# Altium PCB Uno trung tam nha kinh.PcbDoc
Units mm, origin at the board's own origin, x right, y up, seen from the top; angles counter-clockwise.
Board outline 114.81 x 106.43 mm, 2 copper layers (Top Layer, Bottom Layer); 12 components, 14 nets, 71 pads, 4 vias.
Unrouted connection lines stored in the file: 1.
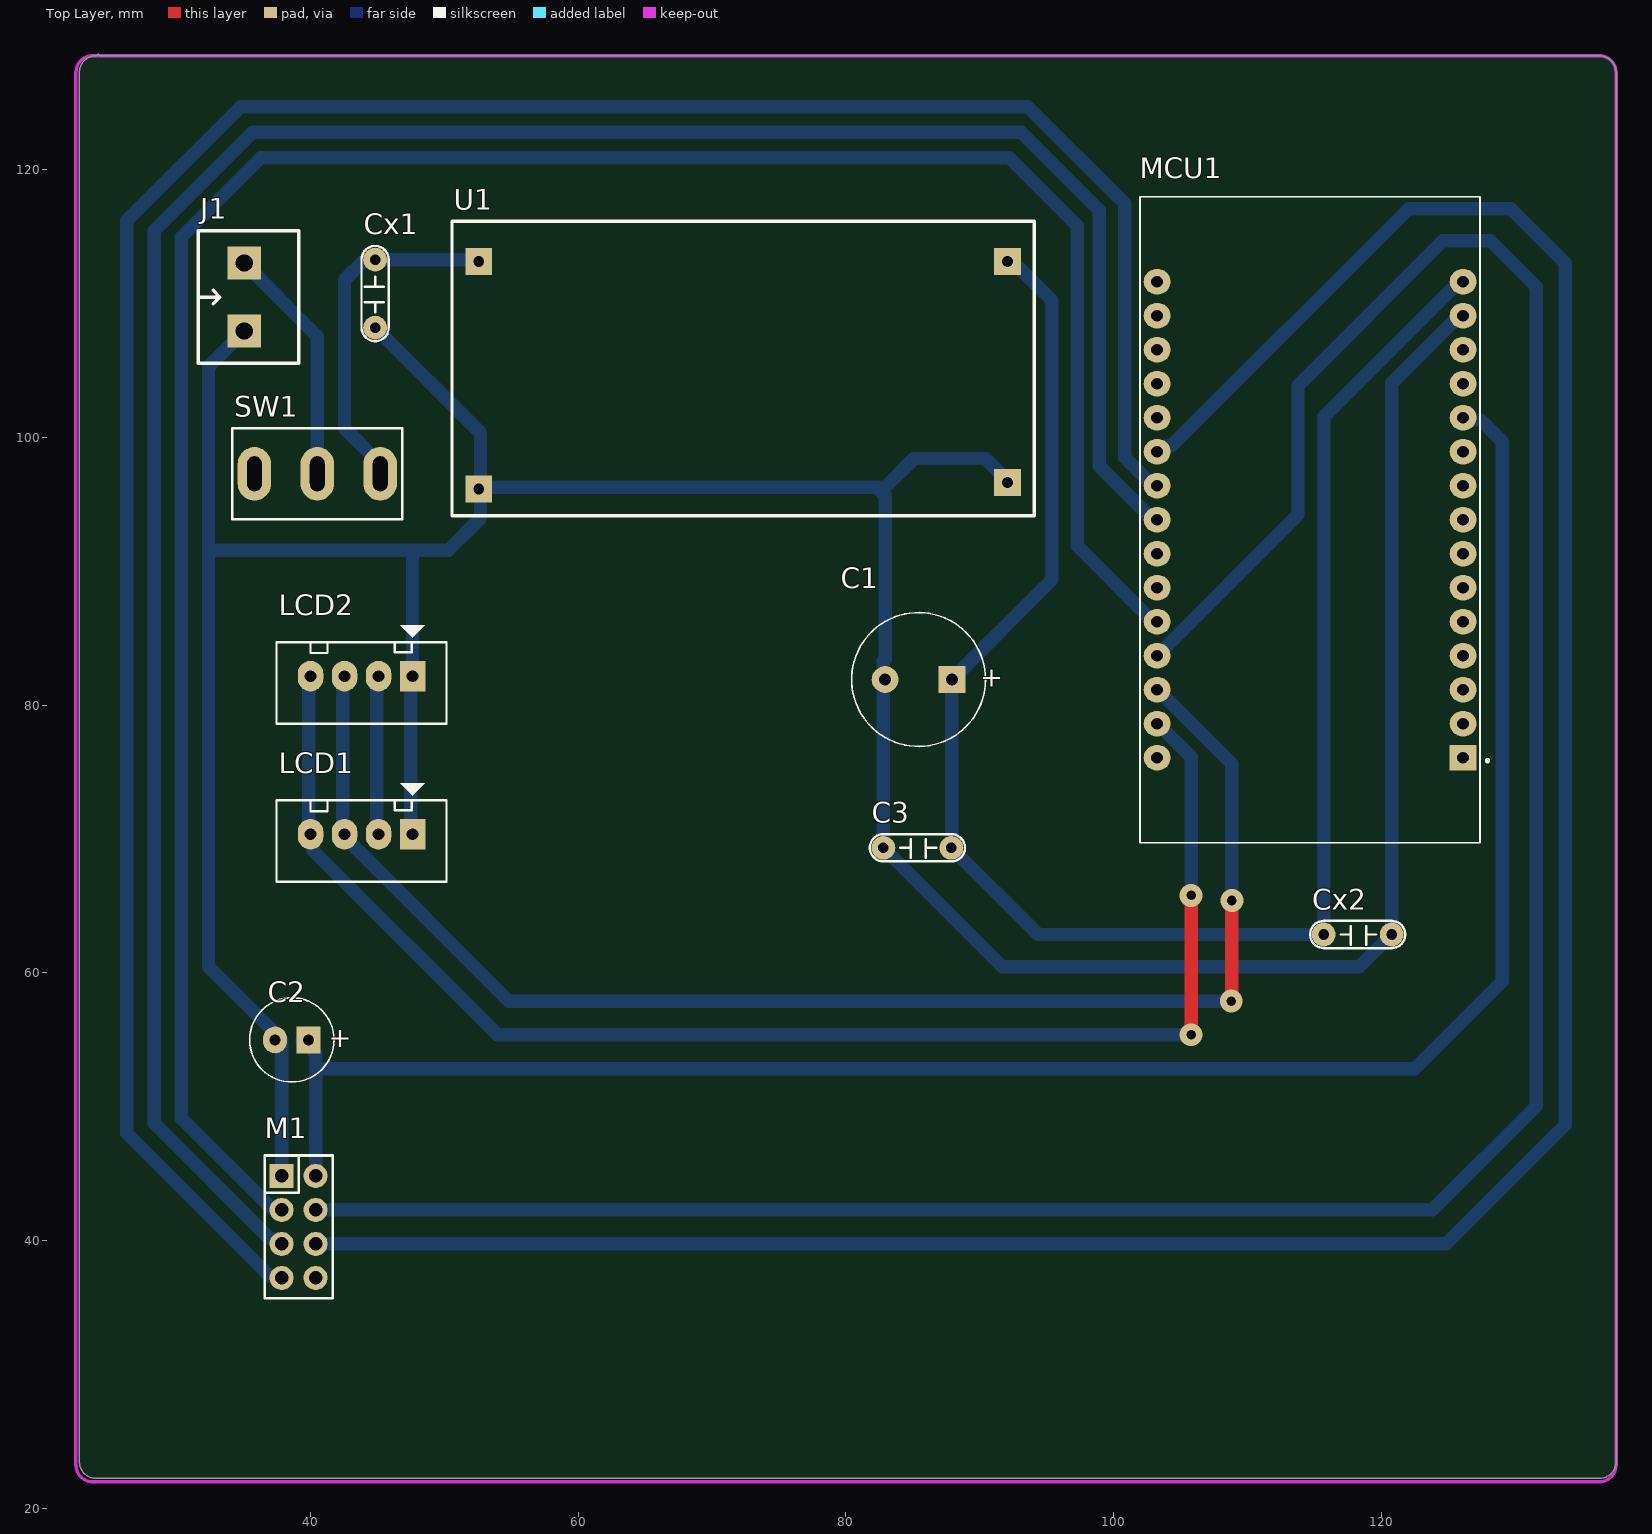
[diagram p0: Top Layer view]
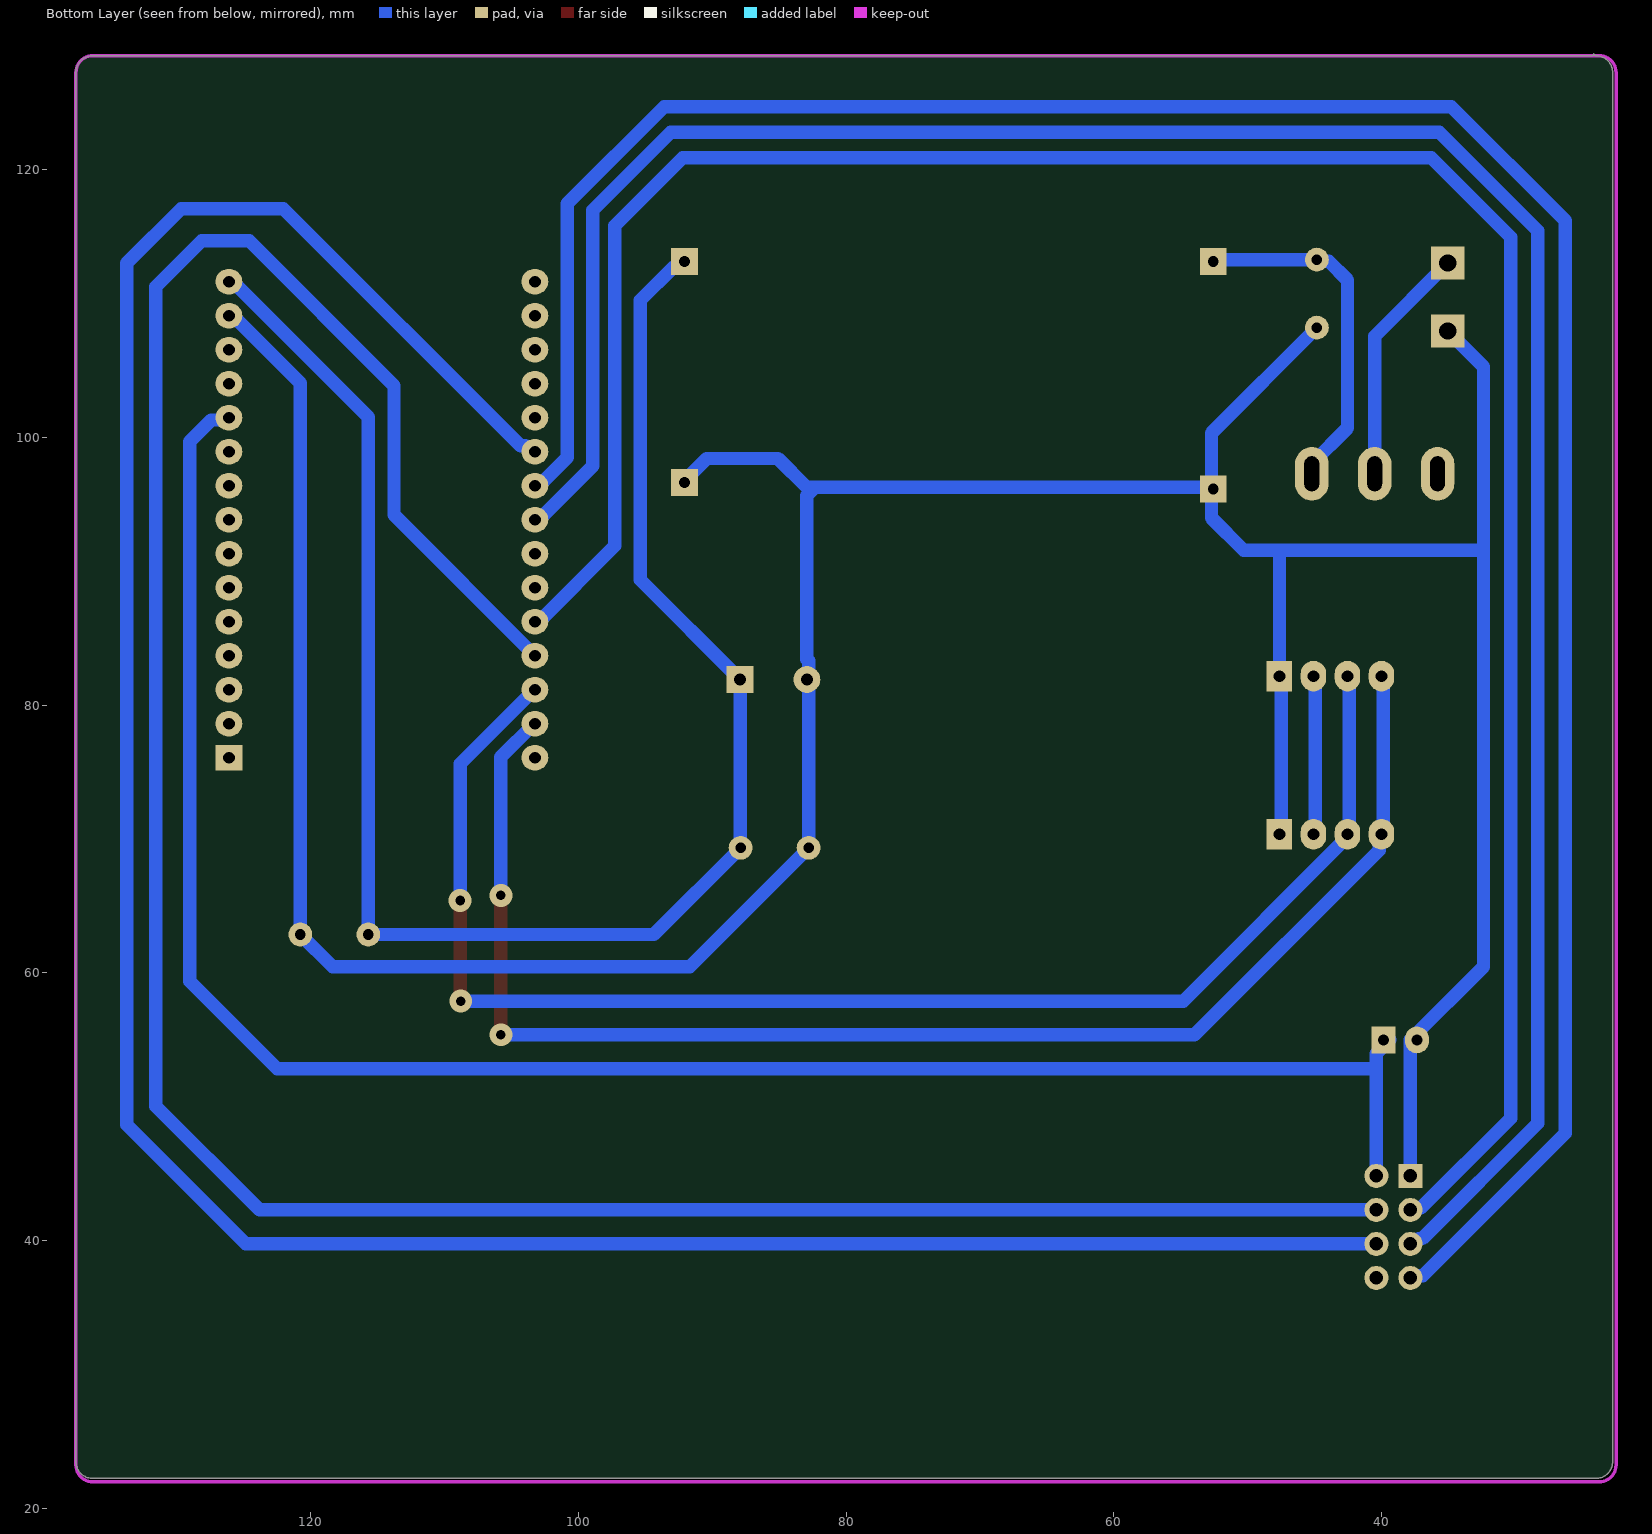
[diagram p1: Bottom Layer view, seen from below]

## Layer stack, top to bottom
Top Solder: solder mask 0.0102, Solder Resist, Dk 3.5
Top Layer: signal copper 0.0356
Dielectric 1: dielectric 0.32, FR-4, Dk 4.8
Bottom Layer: signal copper 0.0356
Bottom Solder: solder mask 0.0102, Solder Resist, Dk 3.5

## Board outline
22.733,23.495 ccw(c24.003,23.495) 24.003,22.225 136.271,22.225 ccw(c136.271,23.495) 137.541,23.495 137.541,127.254 ccw(c136.271,127.254) 136.271,128.524 24.257,128.524 cw(c24.257,128.651) 24.13,128.651 cw(c24.003,128.651) 24.003,128.524 ccw(c24.003,127.254) 22.733,127.254

## Design rules (kind name [scope] priority, off if disabled: settings)
Clearance [All] p1: gap=0.254 ignorepadtopadclearanceinfootprint=FALSE except(0: Arc-Hole Track-Hole SMDPad-Hole THPad-Hole Via-Hole Fill-Hole Poly-Hole Region-Hole Text-Hole)
PolygonConnect [All] p1: connectstyle=Relief reliefconductorwidth=0.254 reliefentries=4 polygonreliefangle="90 Angle" airgapwidth=0.254
RoutingVias [All] p1: holewidth=0.711 width=1.27 viastyle="Through Hole" minholewidth=0.711 minwidth=1.27 maxholewidth=0.711 maxwidth=1.27
SolderMaskExpansion [All] p1: expansion=0.102 istentingtop=FALSE
Width [All] p1: maxlimit=2 minlimit=1 preferedwidth=1.5
30 further rules are at their usual default settings.

## Components (designator, comment, footprint, x,y, rotation, side; value= is the part's Value field where it differs from the comment)
C1 "220uf" CA-ALU-10R 85.431,81.915 r180 top value=104
C2 "10uF" CA-ALU-6.3R 38.608,54.991 r180 top value=104
C3 "104" CN2-T 85.344,69.215 r180 top value=33pF
Cx1 "104" CN2-T 44.704,110.744 r90 top value=33pF
Cx2 "104" CN2-T 118.237,62.738 r180 top value=33pF
J1 "KF2" KF2-5.08 35.052,110.49 r90 top
LCD1 "JP4" CON4 47.625,70.358 r180 top value="Connector 4"
LCD2 "JP4" CON4 47.625,82.169 r180 top value="Connector 4"
M1 "NRF24L01" NRF24L01 39.116,41.021 r270 top
MCU1 "Module Esp_8266" Esp8266_NodeMCU_CP2102 114.681,93.853 r180 top
SW1 "7101P3YZQE" SW_TOGGLE_7101P3YZQE 40.513,97.282 r0 top
U1 "MODULE_LM2596" MODULE_LM2596 50.578,94.139 r0 top

## Footprints (in the part's own frame and the unit in brackets; to place one, negate y for a bottom-side part, rotate by r counter-clockwise, add the part's x,y. Pads: shape width x height; smd on the part's side, far side on the other; paste and mask are expansions set on the pad)
CA-ALU-6.3R [mm] "Polarized capacitors, Aluminum Electrolytic Capacitors, 2-Leads, Body 6.3x15x2.5x0.5"
  rect 1.8x2 hole 0.8: 1(-1.25,0)
  oval 1.8x2 hole 0.8: 2(1.25,0)
  silkscreen extent -3.15,-3.15 3.15,3.15, body extent -3.12,-3.13 3.14,3.15, height 15.26
CA-ALU-10R [mm] "Polarized capacitors, Aluminum Electrolytic Capacitors, 2-Leads, Body 10x20x5x0.6"
  rect 2x2 hole 0.9: 1(-2.5,0)
  round 2 hole 0.9: 2(2.5,0)
  silkscreen extent -5,-5 5,5, body extent -5.02,-4.98 4.97,5.02, height 18.91
CN2-T [mil]
  round 70 hole 31: 1(-100,-5) 2(100,-5)
  silkscreen extent -140,-45 140,35, body extent -118,-48 118,35, height 319
CON4 [mil]
  rect 75x90 hole 34: 1(0,0)
  oval 75x90 hole 34: 2(100,0) 3(200,0) 4(300,0)
  silkscreen extent -100,-150 400,140, body extent -90,-90 398,136, height 276
Esp8266_NodeMCU_CP2102 [mm]
  rect 2x1.9 hole 0.889: 1(-11.43,17.78)
  oval 2x1.9 hole 0.889: 2(-11.43,15.24) 3(-11.43,12.7) 4(-11.43,10.16) 5(-11.43,7.62) 6(-11.43,5.08) 7(-11.43,2.54) 8(-11.43,0) 9(-11.43,-2.54) 10(-11.43,-5.08) 11(-11.43,-7.62) 12(-11.43,-10.16) 13(-11.43,-12.7) 14(-11.43,-15.24) 15(-11.43,-17.78) 16(11.43,-17.78) 17(11.43,-15.24) 18(11.43,-12.7) 19(11.43,-10.16) 20(11.43,-7.62) 21(11.43,-5.08) 22(11.43,-2.54) 23(11.43,0) 24(11.43,2.54) 25(11.43,5.08) 26(11.43,7.62) 27(11.43,10.16) 28(11.43,12.7) 29(11.43,15.24) 30(11.43,17.78)
  round 0 all layers, no hole: ""(-10.16,21.59) ""(-10.16,-21.59) ""(10.16,21.59) ""(10.16,-21.59)
  silkscreen extent -13.35,-24.13 12.7,24.13, body extent -12.89,-24.77 12.89,24.23, height 5.92
KF2-5.08 [mm]
  rect 2.5x2.5 hole 1.3: 1(-2.54,0) 2(2.54,0)
  silkscreen extent -4.95,-4.08 4.95,3.43, body extent -5,-4.07 5,3.43, height 10
MODULE_LM2596 [mm]
  rect 2x2 hole 0.8: 1(2,19) 2(2,2) 3(41.5,2.5) 4(41.5,19)
  round 0 all layers, no hole: 6(6.8,18.5) 6(36.8,2.5)
  silkscreen extent 0,0 43.5,22, body extent 0.07,0.38 43.68,21.68, height 19.8
NRF24L01 [mm]
  rect 1.8x1.8 hole 1.02: 1(-3.81,-1.27)
  round 1.8 hole 1.02: 2(-1.27,-1.27) 3(1.27,-1.27) 4(3.81,-1.27) 5(3.81,1.27) 6(1.27,1.27) 7(-1.27,1.27) 8(-3.81,1.27)
  silkscreen extent -5.33,-2.54 5.33,2.54, body extent -5.85,-2.79 9.15,26.21, height 15.4
SW_TOGGLE_7101P3YZQE [mm]
  oval 2.5x4 hole 2.6 slot 1.1 at 0 deg: 1(-4.7,0) 2(0,0) 3(4.7,0)
  silkscreen extent -6.35,-3.4 6.35,3.4, body extent -6.35,-3.38 6.35,3.38, height 30.93

## Part data
C1 C2: library part CN-ALU-DIP, "Capacitor (Semiconductor SIM Model)", LatestRevisionDate=17-Jul-2002, LatestRevisionNote="Re-released for DXP Platform.", PackageReference=C1206, Publisher="Altium Limited"
C3 Cx1 Cx2: library part CN
J1: Manufacturer="Würth Elektronik eiSos GmbH", partNo=691103110002, ComponentLink1 Description=Manufacturer, ComponentLink1URL=http://www.we-online.com, ComponentLink2 Description=Datasheet, ComponentLink2URL=http://katalog.we-online.de/em/datasheet/6911031100xx.pdf, Created by="Karrer Zheng", Created Date="29 October 2013", NoPins=2
LCD1 LCD2: library part Con4, "Connector 4"
SW1: library part SW_TOGGLE_7101P3YZQE, "SWITCH TOGGLE SPDT 5A 120V", Current Rating="5A (AC/DC)", Illumination Type, Color=-, Manufacturer=C&K, Operating Temperature="-30°C ~ 85°C", Supplier Part Number 1=CKN1019-ND, Voltage Rating - AC=120V, Voltage Rating - DC=28V, Actuator Length=11.43mm, Actuator Material="Brass, Chrome Plated", Actuator Type="Flat Anti-Rotation", Bushing Thread=1/4-40, Category=Switches, Circuit=SPDT, ComponentLink1Description=http://www.ckswitches.com/media/1394/7000toggle.pdf, ComponentLink1URL=http://www.ckswitches.com/media/1394/7000toggle.pdf, Electrical Life="100,000 Cycles", Features="Epoxy Sealed Terminals", Illumination=Non-Illuminated, Illumination Voltage (Nominal)=-, Ingress Protection=-, Manufacturer Part Number=7101P3YZQE, Mounting Type="Panel Mount", Packaging=Bulk, Panel Cutout Dimensions="Circular - 6.35mm Dia", Part Status=Active, Pricing 1="1=6.11, 10=5.801, 25=5.648, 50=5.4954, 100=5.3428, 250=5.03744, 500=4.2742, 1000=4.04523 (USD)", RoHS="RoHS Compliant", Stock 1=933, Supplier 1=Digi-Key, Switch Function=On-On, Termination Style="Solder Lug"

## Via types
v1: diameter 1.7, hole 0.711, Top Layer to Bottom Layer, 4 vias

## Nets (pads, with @x,y where several pads share a name; then routed paths per layer and width w, separated by ;. In a path a pad name is that pad's centre, name@x,y a point inside that pad or via, vN(x,y) a via of type N, cw(c..) or ccw(c..) an arc to the next point about the centre after c; other vN are vias at no path point)
3V3: C2.1 M1.8 MCU1.11 | length 145.9
  Bottom Layer w1: C2.1@39.37,54.991 40.005,54.356 40.386,53.975 40.386,52.832 ; M1.8 40.386,52.832 ; MCU1.11 126.283,101.301 127.426,101.301 129.032,99.695 129.032,59.378 122.486,52.832 40.386,52.832
5VDC: C1.1 C3.1 Cx2.2 LCD1.2 LCD2.2 MCU1.15 U1.4 | length 144
  Bottom Layer w1: LCD2.2@44.831,82.169 44.958,82.042 44.958,70.485 LCD1.2 ; U1.4@92.127,113.344 92.705,112.766 92.847,112.766 95.377,110.236 95.377,89.361 C1.1 87.908,81.891 87.908,69.366 C3.1 94.361,62.865 Cx2.2 115.697,101.523 125.807,111.633 MCU1.15@125.857,111.633
12V: J1.2 SW1.2 | length 18
  Bottom Layer w1: J1.2 40.513,107.569 SW1.2
A0: MCU1.1
D0: MCU1.30
D3: M1.7 MCU1.27 | length 203.8
  Bottom Layer w1: M1.7 123.825,42.291 131.572,50.038 131.572,111.252 128.143,114.681 124.587,114.681 113.779,103.873 113.779,94.221 MCU1.27
D4: M1.2 MCU1.26 | length 179.6
  Bottom Layer w1: M1.2 37.693,42.444 37.058,42.444 30.353,49.149 30.353,114.956 36.301,120.904 92.202,120.904 97.282,115.824 97.282,91.898 102.947,86.233 MCU1.26@102.997,86.233
D5: M1.3 MCU1.23 | length 180.8
  Bottom Layer w1: M1.3 37.63,39.751 37.23,40.151 36.938,40.151 28.321,48.768 28.321,115.443 35.687,122.809 93.091,122.809 98.933,116.967 98.933,97.867 102.947,93.853 MCU1.23@102.997,93.853
D6: M1.4 MCU1.22 | length 187.3
  Bottom Layer w1: M1.4 37.693,37.364 36.931,37.364 26.289,48.006 26.289,116.205 34.798,124.714 93.599,124.714 100.838,117.475 100.838,98.502 102.947,96.393 MCU1.22@102.997,96.393
D7: M1.6 MCU1.21 | length 201.1
  Bottom Layer w1: M1.6 124.841,39.751 133.731,48.641 133.731,113.03 129.667,117.094 122.047,117.094 104.326,99.373 103.984,99.373 103.545,98.933 MCU1.21
GND1: C1.2 C2.2 C3.2 Cx1.1 Cx2.1 J1.1 LCD1.1 LCD2.1 M1.1 MCU1.14 U1.2 U1.3 | length 286.1
  Bottom Layer w1: J1.1 32.385,105.283 32.385,91.567 ; M1.1 37.846,54.991 32.385,60.452 32.385,91.567 ; Cx1.1 52.705,100.33 U1.2@52.705,96.266 ; LCD2.1@47.371,82.169 47.498,82.042 47.498,70.485 LCD1.1 ; LCD2.1 47.625,91.313 47.879,91.567 ; 82.306,96.266 U1.2@52.705,96.266 ; U1.3@92.116,96.733 91.984,96.733 91.578,97.139 91.578,97.271 90.424,98.425 85.09,98.425 82.941,96.276 82.296,96.276 82.931,95.641 82.931,83.439 82.804,83.312 C3.2 91.694,60.452 118.364,60.452 Cx2.1 120.777,104.063 125.807,109.093 MCU1.14@125.857,109.093 ; 32.385,91.567 47.879,91.567 ; 47.879,91.567 50.292,91.567 52.705,93.98 U1.2@52.705,96.266
NetCx1_2: Cx1.2 SW1.3 U1.1 | length 26.4
  Bottom Layer w1: SW1.3 45.213,98.032 42.545,100.7 42.545,111.76 43.942,113.157 44.704,113.157 Cx1.2 44.835,113.28 U1.1@52.705,113.28
SCL: LCD1.4 LCD2.4 MCU1.29 | length 108.8
  Top Layer w1: v1(105.791,55.372) v1(105.791,65.786)
  Bottom Layer w1: LCD2.4@39.751,82.169 39.878,82.042 39.878,70.485 40.178,70.185 40.178,69.169 53.975,55.372 v1(105.791,55.372) ; MCU1.29 103.301,78.613 105.791,76.123 v1(105.791,65.786)
SDA: LCD1.3 LCD2.3 MCU1.28 | length 109.2
  Top Layer w1: v1(108.785,57.888) 108.839,57.834 v1(108.839,65.405)
  Bottom Layer w1: LCD2.3@42.291,82.169 42.418,82.042 42.418,70.485 LCD1.3 42.545,70.168 54.824,57.888 v1(108.785,57.888) ; MCU1.28 103.301,81.153 108.839,75.615 v1(108.839,65.405)
pads on no net: M1.5 MCU1. MCU1.2 MCU1.3 MCU1.4 MCU1.5 MCU1.6 MCU1.7 MCU1.8 MCU1.9 MCU1.10 MCU1.12 MCU1.13 MCU1.16 MCU1.17 MCU1.18 MCU1.19 MCU1.20 MCU1.24 MCU1.25 SW1.1 U1.6

## Keep-outs
Keep-Out Layer:
  lines w0.254: 22.479,23.241 ccw(c23.749,23.241) 23.749,21.971 136.271,21.971 ccw(c136.271,23.241) 137.541,23.241 137.541,127.254 ccw(c136.271,127.254) 136.271,128.524 48.133,128.524 23.749,128.524 ccw(c23.749,127.254) 22.479,127.254 22.479,23.241

## Text inside footprints (layer, text, board x,y; h text height)
C1: Top Overlay "+" at 91.756,82.652 h1.5 r180
C2: Top Overlay "+" at 43.083,55.728 h1.5 r180